# KiCad board haptic display 8x8 aisler.kicad_pcb (continued)
## Routing (per net, layer and track width the routed paths; a pad name or vN(x,y) marks a point on that pad's centre or on a via; arc(x,y) is an arc through that point) (continued)
18.58,81.09 18.73,81.27 18.9,81.43 19.1,81.56 19.31,81.67 19.53,81.75 19.76,81.8 20,81.83 20.24,81.81 20.48,81.77 20.7,81.7 20.92,81.6 21.13,81.47 21.31,81.31 21.48,81.13 21.62,80.93 21.73,80.72 21.81,80.49 21.87,80.25 21.89,80 21.88,79.75 21.83,79.51 21.76,79.27 21.65,79.05 21.52,78.84 21.36,78.64 21.17,78.47 20.96,78.33 20.74,78.21 20.5,78.13 20.25,78.07 20,78.05 19.76,78.06 19.53,78.1 19.3,78.16 19.08,78.26 18.88,78.38 18.69,78.52 18.52,78.68 18.36,78.87 18.24,79.07 18.13,79.29 18.06,79.52 18.01,79.76 17.99,80 18,80.24 18.04,80.48 18.1,80.72 18.2,80.94 18.32,81.16 18.47,81.35 18.64,81.53 18.83,81.69 19.04,81.82 19.27,81.93 19.51,82.01 19.75,82.06 20,82.08 20.25,82.06 20.5,82.02 20.74,81.95 20.97,81.85 21.19,81.73 21.4,81.57 21.58,81.4 21.74,81.2 21.88,80.98 21.99,80.75 22.07,80.51 22.12,80.26 22.14,80 22.13,79.74 22.08,79.49 22.01,79.24 21.91,79 21.78,78.77 21.62,78.56 21.44,78.37 21.24,78.21 21.01,78.07 20.78,77.96 20.52,77.87 20.26,77.82 20,77.8 19.75,77.81 19.51,77.85 19.27,77.91 19.04,78 18.82,78.12 18.61,78.26 18.42,78.42 18.25,78.61 18.1,78.81 17.98,79.03 17.88,79.26 17.8,79.5 17.76,79.75 17.74,80 17.75,80.25 17.79,80.51 17.85,80.75 17.95,80.99 18.07,81.22 18.21,81.43 18.38,81.62 18.57,81.8 18.77,81.95 19,82.08 19.24,82.18 19.48,82.26 19.74,82.31 20,82.33 20.26,82.31 20.52,82.28 20.77,82.21 21.02,82.11 21.25,81.99 21.47,81.84 21.67,81.67 21.85,81.47 22,81.26 22.13,81.03 22.24,80.78 22.32,80.53 22.37,80.27 22.39,80 22.38,79.73 22.34,79.47 22.27,79.21 22.17,78.96 22.04,78.72 21.89,78.49 21.71,78.29 21.51,78.11 21.29,77.94 21.06,77.81 20.8,77.7 20.54,77.62 20.27,77.57 20,77.55 19.74,77.56 19.49,77.6 19.24,77.66 19,77.75 18.76,77.86 18.55,78 18.34,78.16 18.15,78.34 17.99,78.54 17.84,78.75 17.72,78.98 17.62,79.23 17.55,79.48 17.51,79.74 17.49,80 17.5,80.26 17.53,80.52 17.6,80.78 17.69,81.03 17.81,81.27 17.95,81.49 18.11,81.7 18.3,81.89 18.5,82.06 18.72,82.21 18.96,82.34 19.21,82.44 19.47,82.51 19.73,82.56 20,82.58 20.27,82.57 20.54,82.53 20.8,82.46 21.05,82.37 21.3,82.25 21.53,82.1 21.74,81.94 21.94,81.75 22.11,81.54 22.27,81.31 22.39,81.07 22.5,80.81 22.57,80.55 22.62,80.28 22.64,80 22.63,79.72 22.59,79.45 22.52,79.18 22.42,78.92 22.3,78.67 22.15,78.44 21.98,78.22 21.79,78.02 21.57,77.84 21.34,77.68 21.09,77.55 20.83,77.44 20.56,77.37 20.28,77.32 20,77.3 19.73,77.31 19.47,77.34 19.21,77.41 18.96,77.49 18.72,77.6 18.49,77.74 18.27,77.89 18.07,78.07 17.89,78.26 17.72,78.48 17.58,78.71 17.46,78.95 17.37,79.2 17.3,79.46 17.25,79.73 17.24,80 17.25,80.27 17.28,80.54 17.35,80.81 17.43,81.06 17.55,81.31 17.68,81.55 17.84,81.77 18.02,81.98 18.23,82.16 18.44,82.33 18.68,82.47 18.92,82.6 19.18,82.69 19.45,82.76 19.72,82.81 20,82.83 20.28,82.82 20.55,82.78 20.82,82.71 21.09,82.62 21.34,82.51 21.58,82.37 21.81,82.2 22.02,82.02 22.21,81.81 22.38,81.59 22.53,81.35 22.65,81.1 22.75,80.83 22.82,80.56 22.87,80.28 22.89,80 22.88,79.72 22.84,79.44 22.77,79.16 22.68,78.89 22.56,78.63 22.42,78.38 22.25,78.15 22.06,77.94 21.85,77.74 21.63,77.57 21.38,77.42 21.12,77.29 20.85,77.19 20.57,77.11 20.29,77.07 20,77.05 19.73,77.06 19.46,77.09 19.19,77.15 18.93,77.24 18.68,77.34 18.44,77.47 18.21,77.63 17.99,77.8 17.8,77.99 17.62,78.2 17.46,78.43 17.32,78.67 17.2,78.92 17.11,79.18 17.05,79.45 17,79.72 16.99,80 17,80.28 17.03,80.55 17.09,80.83 17.18,81.09 17.29,81.35 17.42,81.6 17.58,81.83 17.75,82.05 17.95,82.25 18.16,82.43 18.39,82.6 18.64,82.74 18.89,82.85 19.16,82.95 19.44,83.02 19.72,83.06 20,83.08 20.28,83.07 20.57,83.03 20.84,82.97 21.12,82.88 21.38,82.77 21.63,82.63 21.87,82.47 22.09,82.29 22.3,82.09 22.48,81.88 22.65,81.64 22.79,81.39 22.91,81.13 23.01,80.86 23.08,80.58 23.12,80.29 23.14,80 23.13,79.71 23.09,79.42 23.03,79.14 22.94,78.86 22.83,78.59 22.69,78.34 22.52,78.09 22.34,77.87 22.14,77.66 21.91,77.47 21.67,77.3 21.42,77.15 21.15,77.03 20.87,76.93 20.59,76.86 20.29,76.82 20,76.8 19.72,76.81 19.44,76.84 19.17,76.9 18.9,76.98 18.64,77.08 18.39,77.21 18.15,77.36 17.93,77.53 17.72,77.72 17.52,77.92 17.35,78.14 17.19,78.38 17.06,78.63 16.95,78.89 16.86,79.16 16.79,79.43 16.75,79.72 16.74,80 16.75,80.28 16.78,80.57 16.84,80.85 16.92,81.12 17.03,81.39 17.16,81.64 17.31,81.89 17.48,82.11 17.67,82.33 17.88,82.53 18.11,82.7 18.35,82.86 18.6,83 18.87,83.11 19.14,83.2 19.42,83.27 19.71,83.31 20,83.33 20.29,83.32 20.58,83.28 20.86,83.22 21.14,83.14 21.41,83.03 21.67,82.9 21.92,82.74 22.16,82.57 22.37,82.37 22.57,82.16 22.75,81.93 22.92,81.68 23.05,81.42 23.17,81.15 23.26,80.87 23.33,80.59 23.37,80.29 23.39,80 23.38,79.7 23.34,79.41 23.28,79.12 23.2,78.84 23.09,78.56 22.95,78.3 22.79,78.04 22.62,77.8 22.42,77.58 22.2,77.38 21.96,77.19 21.71,77.03 21.45,76.89 21.18,76.77 20.89,76.68 20.6,76.61 20.3,76.57 20,76.55 19.71,76.56 19.43,76.59 19.15,76.65 18.88,76.72 18.61,76.83 18.35,76.95 18.1,77.09 17.86,77.26 17.64,77.44 17.44,77.64 17.25,77.86 17.08,78.09 16.93,78.34 16.8,78.6 16.69,78.86 16.6,79.14 16.54,79.42 16.5,79.71 16.49,80 16.5,80.29 16.53,80.58 16.59,80.86 16.67,81.14 16.77,81.42 16.89,81.68 17.04,81.93 17.21,82.17 17.39,82.4 17.6,82.61 17.82,82.8 18.06,82.97 18.31,83.13 18.57,83.26 18.84,83.37 19.12,83.46 19.41,83.52 19.71,83.56 20,83.58 20.3,83.57 20.59,83.53 20.88,83.48 21.17,83.39 21.44,83.29 21.71,83.16 21.97,83.01 22.21,82.84 22.44,82.65 22.65,82.44 22.85,82.22 23.03,81.98 23.18,81.72 23.32,81.45 23.43,81.18 23.52,80.89 23.58,80.6 23.62,80.3 23.64,80 23.63,79.7 23.59,79.4 23.54,79.1 23.45,78.81 23.35,78.53 23.22,78.26 23.06,78 22.89,77.75 22.7,77.52 22.49,77.3 22.26,77.1 22.01,76.92 21.75,76.76 21.48,76.63 21.2,76.51 20.91,76.42 20.61,76.36 20.31,76.32 20,76.3 19.71,76.31 19.42,76.34 19.13,76.39 18.85,76.47 18.58,76.57 18.31,76.69 18.06,76.83 17.81,76.99 17.58,77.17 17.36,77.36 17.16,77.57 16.98,77.8 16.81,78.05 16.66,78.3 16.54,78.57 16.43,78.84 16.35,79.12 16.29,79.41 16.25,79.71 16.24,80 16.25,80.3 16.28,80.59 16.33,80.88 16.41,81.17 16.51,81.45 16.63,81.72 16.77,81.98 16.94,82.23 17.12,82.46 17.32,82.68 17.53,82.89 17.77,83.07 18.01,83.24 18.27,83.39 18.54,83.52 18.82,83.63 19.11,83.71 19.4,83.77 19.7,83.81 20,83.83 20.3,83.82 20.6,83.78 20.9,83.73 21.19,83.65 21.47,83.55 21.75,83.42 22.01,83.28 22.26,83.11 22.5,82.93 22.73,82.73 22.93,82.51 23.12,82.27 23.3,82.02 23.45,81.76 23.58,81.48 23.69,81.2 23.77,80.91 23.83,80.61 23.87,80.3 23.89,80 23.88,79.69 23.85,79.39 23.79,79.09 23.71,78.79 23.61,78.51 23.48,78.23 23.33,77.96 23.17,77.7 22.98,77.46 22.77,77.23 22.55,77.02 22.31,76.82 22.05,76.65 21.78,76.5 21.51,76.37 21.22,76.26 20.92,76.17 20.62,76.1 20.31,76.07 20,76.05 19.7,76.06 19.41,76.09 19.12,76.14 18.83,76.21 18.55,76.31 18.28,76.43 18.01,76.56 17.76,76.72 17.52,76.89 17.29,77.08 17.08,77.29 16.88,77.51 16.7,77.75 16.54,78 16.4,78.27 16.28,78.54 16.18,78.82 16.1,79.11 16.04,79.4 16,79.7 15.99,80 16,80.3 16.03,80.6 16.08,80.89 16.15,81.19 16.25,81.47 16.37,81.75 16.51,82.02 16.67,82.27 16.84,82.52 17.04,82.75 17.25,82.97 17.48,83.17 17.72,83.35 17.97,83.51 18.24,83.66 18.52,83.78 18.8,83.88 19.1,83.96 19.39,84.02 19.7,84.06 20,84.08 20.3,84.07 20.61,84.04 20.91,83.98 21.2,83.91 21.49,83.81 21.78,83.69 22.05,83.55 22.31,83.39 22.56,83.21 22.79,83.01 23.01,82.79 23.21,82.56 23.4,82.32 23.57,82.06 23.71,81.79 23.84,81.51 23.94,81.22 24.03,80.92 24.09,80.62 24.12,80.31 24.14,80 24.13,79.69 24.1,79.38 24.04,79.08 23.97,78.78 23.87,78.48 23.74,78.2 23.6,77.92 23.44,77.66 23.26,77.4 23.05,77.17 22.84,76.94 22.6,76.74 22.35,76.55 22.09,76.38 21.81,76.23 21.53,76.1 21.23,76 20.93,75.91 20.63,75.85 20.31,75.81 20,75.8 19.7,75.81 19.4,75.84 19.11,75.89 18.81,75.96 18.53,76.05 18.25,76.16 17.98,76.3 17.72,76.45 17.47,76.62 17.23,76.8 17.01,77.01 16.8,77.23 16.61,77.46 16.43,77.71 16.28,77.97 16.14,78.24 16.02,78.52 15.92,78.8 15.84,79.1 15.79,79.39 15.75,79.7 15.74,80 15.75,80.3 15.78,80.61 15.83,80.91 15.9,81.2 15.99,81.49 16.11,81.78 16.24,82.05 16.4,82.32 16.57,82.57 16.76,82.81 16.96,83.04 17.19,83.25 17.42,83.44 17.67,83.62 17.94,83.78 18.21,83.92 18.49,84.04 18.78,84.14 19.08,84.22 19.39,84.28 19.69,84.31 20,84.33 20.31,84.32 20.62,84.29 20.92,84.23 21.22,84.16 21.52,84.07 21.8,83.95 22.08,83.81 22.35,83.66 22.61,83.48 22.85,83.29 23.08,83.08 23.29,82.85 23.49,82.61 23.67,82.36 23.83,82.09 23.98,81.82 24.1,81.53 24.2,81.23 24.28,80.93 24.34,80.62 24.37,80.31 24.39,80 24.38,79.69 24.35,79.37 24.3,79.07 24.22,78.76 24.12,78.46 24.01,78.17 23.87,77.89 23.71,77.62 23.53,77.36 23.34,77.11 23.12,76.88 22.9,76.66 22.65,76.46 22.39,76.28 22.12,76.11 21.84,75.97 21.55,75.84 21.25,75.74 20.94,75.66 20.63,75.6 20.32,75.56 20,75.55 19.05,75.55 ; 19.59,63.98 19.63,63.97 20,63.6 20,63.55 19.79,63.56 19.59,63.6 19.39,63.67 19.2,63.76 19.03,63.88 18.88,64.03 18.75,64.19 18.64,64.38 18.56,64.58 18.51,64.79 18.49,65 18.5,65.22 18.54,65.43 18.61,65.64 18.71,65.83 18.84,66.01 18.99,66.17 19.16,66.31 19.35,66.42 19.56,66.5 19.78,66.55 20,66.58 20.22,66.56 20.45,66.52 20.66,66.45 20.86,66.34 21.05,66.21 21.22,66.05 21.36,65.87 21.47,65.67 21.56,65.46 21.62,65.23 21.64,65 21.63,64.77 21.58,64.54 21.51,64.31 21.4,64.1 21.26,63.91 21.09,63.74 20.91,63.59 20.7,63.47 20.48,63.38 20.24,63.32 20,63.3 19.78,63.31 19.56,63.35 19.34,63.41 19.14,63.51 18.95,63.63 18.78,63.78 18.62,63.94 18.49,64.13 18.39,64.33 18.31,64.55 18.26,64.77 18.24,65 18.25,65.23 18.29,65.46 18.36,65.68 18.46,65.89 18.58,66.09 18.73,66.27 18.9,66.43 19.1,66.56 19.31,66.67 19.53,66.75 19.76,66.8 20,66.83 20.24,66.81 20.48,66.77 20.7,66.7 20.92,66.6 21.13,66.47 21.31,66.31 21.48,66.13 21.62,65.93 21.73,65.72 21.81,65.49 21.87,65.25 21.89,65 21.88,64.75 21.83,64.51 21.76,64.27 21.65,64.05 21.52,63.84 21.36,63.64 21.17,63.47 20.96,63.33 20.74,63.21 20.5,63.13 20.25,63.07 20,63.05 19.76,63.06 19.53,63.1 19.3,63.16 19.08,63.26 18.88,63.38 18.69,63.52 18.52,63.68 18.36,63.87 18.24,64.07 18.13,64.29 18.06,64.52 18.01,64.76 17.99,65 18,65.24 18.04,65.48 18.1,65.72 18.2,65.94 18.32,66.16 18.47,66.35 18.64,66.53 18.83,66.69 19.04,66.82 19.27,66.93 19.51,67.01 19.75,67.06 20,67.08 20.25,67.06 20.5,67.02 20.74,66.95 20.97,66.85 21.19,66.73 21.4,66.57 21.58,66.4 21.74,66.2 21.88,65.98 21.99,65.75 22.07,65.51 22.12,65.26 22.14,65 22.13,64.74 22.08,64.49 22.01,64.24 21.91,64 21.78,63.77 21.62,63.56 21.44,63.37 21.24,63.21 21.01,63.07 20.78,62.96 20.52,62.87 20.26,62.82 20,62.8 19.75,62.81 19.51,62.85 19.27,62.91 19.04,63 18.82,63.12 18.61,63.26 18.42,63.42 18.25,63.61 18.1,63.81 17.98,64.03 17.88,64.26 17.8,64.5 17.76,64.75 17.74,65 17.75,65.25 17.79,65.51 17.85,65.75 17.95,65.99 18.07,66.22 18.21,66.43 18.38,66.62 18.57,66.8 18.77,66.95 19,67.08 19.24,67.18 19.48,67.26 19.74,67.31 20,67.33 20.26,67.31 20.52,67.28 20.77,67.21 21.02,67.11 21.25,66.99 21.47,66.84 21.67,66.67 21.85,66.47 22,66.26 22.13,66.03 22.24,65.78 22.32,65.53 22.37,65.27 22.39,65 22.38,64.73 22.34,64.47 22.27,64.21 22.17,63.96 22.04,63.72 21.89,63.49 21.71,63.29 21.51,63.11 21.29,62.94 21.06,62.81 20.8,62.7 20.54,62.62 20.27,62.57 20,62.55 19.74,62.56 19.49,62.6 19.24,62.66 19,62.75 18.76,62.86 18.55,63 18.34,63.16 18.15,63.34 17.99,63.54 17.84,63.75 17.72,63.98 17.62,64.23 17.55,64.48 17.51,64.74 17.49,65 17.5,65.26 17.53,65.52 17.6,65.78 17.69,66.03 17.81,66.27 17.95,66.49 18.11,66.7 18.3,66.89 18.5,67.06 18.72,67.21 18.96,67.34 19.21,67.44 19.47,67.51 19.73,67.56 20,67.58 20.27,67.57 20.54,67.53 20.8,67.46 21.05,67.37 21.3,67.25 21.53,67.1 21.74,66.94 21.94,66.75 22.11,66.54 22.27,66.31 22.39,66.07 22.5,65.81 22.57,65.55 22.62,65.28 22.64,65 22.63,64.72 22.59,64.45 22.52,64.18 22.42,63.92 22.3,63.67 22.15,63.44 21.98,63.22 21.79,63.02 21.57,62.84 21.34,62.68 21.09,62.55 20.83,62.44 20.56,62.37 20.28,62.32 20,62.3 19.73,62.31 19.47,62.34 19.21,62.41 18.96,62.49 18.72,62.6 18.49,62.74 18.27,62.89 18.07,63.07 17.89,63.26 17.72,63.48 17.58,63.71 17.46,63.95 17.37,64.2 17.3,64.46 17.25,64.73 17.24,65 17.25,65.27 17.28,65.54 17.35,65.81 17.43,66.06 17.55,66.31 17.68,66.55 17.84,66.77 18.02,66.98 18.23,67.16 18.44,67.33 18.68,67.47 18.92,67.6 19.18,67.69 19.45,67.76 19.72,67.81 20,67.83 20.28,67.82 20.55,67.78 20.82,67.71 21.09,67.62 21.34,67.51 21.58,67.37 21.81,67.2 22.02,67.02 22.21,66.81 22.38,66.59 22.53,66.35 22.65,66.1 22.75,65.83 22.82,65.56 22.87,65.28 22.89,65 22.88,64.72 22.84,64.44 22.77,64.16 22.68,63.89 22.56,63.63 22.42,63.38 22.25,63.15 22.06,62.94 21.85,62.74 21.63,62.57 21.38,62.42 21.12,62.29 20.85,62.19 20.57,62.11 20.29,62.07 20,62.05 19.73,62.06 19.46,62.09 19.19,62.15 18.93,62.24 18.68,62.34 18.44,62.47 18.21,62.63 17.99,62.8 17.8,62.99 17.62,63.2 17.46,63.43 17.32,63.67 17.2,63.92 17.11,64.18 17.05,64.45 17,64.72 16.99,65 17,65.28 17.03,65.55 17.09,65.83 17.18,66.09 17.29,66.35 17.42,66.6 17.58,66.83 17.75,67.05 17.95,67.25 18.16,67.43 18.39,67.6 18.64,67.74 18.89,67.85 19.16,67.95 19.44,68.02 19.72,68.06 20,68.08 20.28,68.07 20.57,68.03 20.84,67.97 21.12,67.88 21.38,67.77 21.63,67.63 21.87,67.47 22.09,67.29 22.3,67.09 22.48,66.88 22.65,66.64 22.79,66.39 22.91,66.13 23.01,65.86 23.08,65.58 23.12,65.29 23.14,65 23.13,64.71 23.09,64.42 23.03,64.14 22.94,63.86 22.83,63.59 22.69,63.34 22.52,63.09 22.34,62.87 22.14,62.66 21.91,62.47 21.67,62.3 21.42,62.15 21.15,62.03 20.87,61.93 20.59,61.86 20.29,61.82 20,61.8 19.72,61.81 19.44,61.84 19.17,61.9 18.9,61.98 18.64,62.08 18.39,62.21 18.15,62.36 17.93,62.53 17.72,62.72 17.52,62.92 17.35,63.14 17.19,63.38 17.06,63.63 16.95,63.89 16.86,64.16 16.79,64.43 16.75,64.72 16.74,65 16.75,65.28 16.78,65.57 16.84,65.85 16.92,66.12 17.03,66.39 17.16,66.64 17.31,66.89 17.48,67.11 17.67,67.33 17.88,67.53 18.11,67.7 18.35,67.86 18.6,68 18.87,68.11 19.14,68.2 19.42,68.27 19.71,68.31 20,68.33 20.29,68.32 20.58,68.28 20.86,68.22 21.14,68.14 21.41,68.03 21.67,67.9 21.92,67.74 22.16,67.57 22.37,67.37 22.57,67.16 22.75,66.93 22.92,66.68 23.05,66.42 23.17,66.15 23.26,65.87 23.33,65.59 23.37,65.29 23.39,65 23.38,64.7 23.34,64.41 23.28,64.12 23.2,63.84 23.09,63.56 22.95,63.3 22.79,63.04 22.62,62.8 22.42,62.58 22.2,62.38 21.96,62.19 21.71,62.03 21.45,61.89 21.18,61.77 20.89,61.68 20.6,61.61 20.3,61.57 20,61.55 19.71,61.56 19.43,61.59 19.15,61.65 18.88,61.72 18.61,61.83 18.35,61.95 18.1,62.09 17.86,62.26 17.64,62.44 17.44,62.64 17.25,62.86 17.08,63.09 16.93,63.34 16.8,63.6 16.69,63.86 16.6,64.14 16.54,64.42 16.5,64.71 16.49,65 16.5,65.29 16.53,65.58 16.59,65.86 16.67,66.14 16.77,66.42 16.89,66.68 17.04,66.93 17.21,67.17 17.39,67.4 17.6,67.61 17.82,67.8 18.06,67.97 18.31,68.13 18.57,68.26 18.84,68.37 19.12,68.46 19.41,68.52 19.71,68.56 20,68.58 20.3,68.57 20.59,68.53 20.88,68.48 21.17,68.39 21.44,68.29 21.71,68.16 21.97,68.01 22.21,67.84 22.44,67.65 22.65,67.44 22.85,67.22 23.03,66.98 23.18,66.72 23.32,66.45 23.43,66.18 23.52,65.89 23.58,65.6 23.62,65.3 23.64,65 23.63,64.7 23.59,64.4 23.54,64.1 23.45,63.81 23.35,63.53 23.22,63.26 23.06,63 22.89,62.75 22.7,62.52 22.49,62.3 22.26,62.1 22.01,61.92 21.75,61.76 21.48,61.63 21.2,61.51 20.91,61.42 20.61,61.36 20.31,61.32 20,61.3 19.71,61.31 19.42,61.34 19.13,61.39 18.85,61.47 18.58,61.57 18.31,61.69 18.06,61.83 17.81,61.99 17.58,62.17 17.36,62.36 17.16,62.57 16.98,62.8 16.81,63.05 16.66,63.3 16.54,63.57 16.43,63.84 16.35,64.12 16.29,64.41 16.25,64.71 16.24,65 16.25,65.3 16.28,65.59 16.33,65.88 16.41,66.17 16.51,66.45 16.63,66.72 16.77,66.98 16.94,67.23 17.12,67.46 17.32,67.68 17.53,67.89 17.77,68.07 18.01,68.24 18.27,68.39 18.54,68.52 18.82,68.63 19.11,68.71 19.4,68.77 19.7,68.81 20,68.83 20.3,68.82 20.6,68.78 20.9,68.73 21.19,68.65 21.47,68.55 21.75,68.42 22.01,68.28 22.26,68.11 22.5,67.93 22.73,67.73 22.93,67.51 23.12,67.27 23.3,67.02 23.45,66.76 23.58,66.48 23.69,66.2 23.77,65.91 23.83,65.61 23.87,65.3 23.89,65 23.88,64.69 23.85,64.39 23.79,64.09 23.71,63.79 23.61,63.51 23.48,63.23 23.33,62.96 23.17,62.7 22.98,62.46 22.77,62.23 22.55,62.02 22.31,61.82 22.05,61.65 21.78,61.5 21.51,61.37 21.22,61.26 20.92,61.17 20.62,61.1 20.31,61.07 20,61.05 19.7,61.06 19.41,61.09 19.12,61.14 18.83,61.21 18.55,61.31 18.28,61.43 18.01,61.56 17.76,61.72 17.52,61.89 17.29,62.08 17.08,62.29 16.88,62.51 16.7,62.75 16.54,63 16.4,63.27 16.28,63.54 16.18,63.82 16.1,64.11 16.04,64.4 16,64.7 15.99,65 16,65.3 16.03,65.6 16.08,65.89 16.15,66.19 16.25,66.47 16.37,66.75 16.51,67.02 16.67,67.27 16.84,67.52 17.04,67.75 17.25,67.97 17.48,68.17 17.72,68.35 17.97,68.51 18.24,68.66 18.52,68.78 18.8,68.88 19.1,68.96 19.39,69.02 19.7,69.06 20,69.08 20.3,69.07 20.61,69.04 20.91,68.98 21.2,68.91 21.49,68.81 21.78,68.69 22.05,68.55 22.31,68.39 22.56,68.21 22.79,68.01 23.01,67.79 23.21,67.56 23.4,67.32 23.57,67.06 23.71,66.79 23.84,66.51 23.94,66.22 24.03,65.92 24.09,65.62 24.12,65.31 24.14,65 24.13,64.69 24.1,64.38 24.04,64.08 23.97,63.78 23.87,63.48 23.74,63.2 23.6,62.92 23.44,62.66 23.26,62.4 23.05,62.17 22.84,61.94 22.6,61.74 22.35,61.55 22.09,61.38 21.81,61.23 21.53,61.1 21.23,61 20.93,60.91 20.63,60.85 20.31,60.81 20,60.8 19.7,60.81 19.4,60.84 19.11,60.89 18.81,60.96 18.53,61.05 18.25,61.16 17.98,61.3 17.72,61.45 17.47,61.62 17.23,61.8 17.01,62.01 16.8,62.23 16.61,62.46 16.43,62.71 16.28,62.97 16.14,63.24 16.02,63.52 15.92,63.8 15.84,64.1 15.79,64.39 15.75,64.7 15.74,65 15.75,65.3 15.78,65.61 15.83,65.91 15.9,66.2 15.99,66.49 16.11,66.78 16.24,67.05 16.4,67.32 16.57,67.57 16.76,67.81 16.96,68.04 17.19,68.25 17.42,68.44 17.67,68.62 17.94,68.78 18.21,68.92 18.49,69.04 18.78,69.14 19.08,69.22 19.39,69.28 19.69,69.31 20,69.33 20.31,69.32 20.62,69.29 20.92,69.23 21.22,69.16 21.52,69.07 21.8,68.95 22.08,68.81 22.35,68.66 22.61,68.48 22.85,68.29 23.08,68.08 23.29,67.85 23.49,67.61 23.67,67.36 23.83,67.09 23.98,66.82 24.1,66.53 24.2,66.23 24.28,65.93 24.34,65.62 24.37,65.31 24.39,65 24.38,64.69 24.35,64.37 24.3,64.07 24.22,63.76 24.12,63.46 24.01,63.17 23.87,62.89 23.71,62.62 23.53,62.36 23.34,62.11 23.12,61.88 22.9,61.66 22.65,61.46 22.39,61.28 22.12,61.11 21.84,60.97 21.55,60.84 21.25,60.74 20.94,60.66 20.63,60.6 20.32,60.56 20,60.55 19.05,60.55 ; 19.59,48.98 19.63,48.97 20,48.6 20,48.55 19.79,48.56 19.59,48.6 19.39,48.67 19.2,48.76 19.03,48.88 18.88,49.03 18.75,49.19 18.64,49.38 18.56,49.58 18.51,49.79 18.49,50 18.5,50.22 18.54,50.43 18.61,50.64 18.71,50.83 18.84,51.01 18.99,51.17 19.16,51.31 19.35,51.42 19.56,51.5 19.78,51.55 20,51.58 20.22,51.56 20.45,51.52 20.66,51.45 20.86,51.34 21.05,51.21 21.22,51.05 21.36,50.87 21.47,50.67 21.56,50.46 21.62,50.23 21.64,50 21.63,49.77 21.58,49.54 21.51,49.31 21.4,49.1 21.26,48.91 21.09,48.74 20.91,48.59 20.7,48.47 20.48,48.38 20.24,48.32 20,48.3 19.78,48.31 19.56,48.35 19.34,48.41 19.14,48.51 18.95,48.63 18.78,48.78 18.62,48.94 18.49,49.13 18.39,49.33 18.31,49.55 18.26,49.77 18.24,50 18.25,50.23 18.29,50.46 18.36,50.68 18.46,50.89 18.58,51.09 18.73,51.27 18.9,51.43 19.1,51.56 19.31,51.67 19.53,51.75 19.76,51.8 20,51.83 20.24,51.81 20.48,51.77 20.7,51.7 20.92,51.6 21.13,51.47 21.31,51.31 21.48,51.13 21.62,50.93 21.73,50.72 21.81,50.49 21.87,50.25 21.89,50 21.88,49.75 21.83,49.51 21.76,49.27 21.65,49.05 21.52,48.84 21.36,48.64 21.17,48.47 20.96,48.33 20.74,48.21 20.5,48.13 20.25,48.07 20,48.05 19.76,48.06 19.53,48.1 19.3,48.16 19.08,48.26 18.88,48.38 18.69,48.52 18.52,48.68 18.36,48.87 18.24,49.07 18.13,49.29 18.06,49.52 18.01,49.76 17.99,50 18,50.24 18.04,50.48 18.1,50.72 18.2,50.94 18.32,51.16 18.47,51.35 18.64,51.53 18.83,51.69 19.04,51.82 19.27,51.93 19.51,52.01 19.75,52.06 20,52.08 20.25,52.06 20.5,52.02 20.74,51.95 20.97,51.85 21.19,51.73 21.4,51.57 21.58,51.4 21.74,51.2 21.88,50.98 21.99,50.75 22.07,50.51 22.12,50.26 22.14,50 22.13,49.74 22.08,49.49 22.01,49.24 21.91,49 21.78,48.77 21.62,48.56 21.44,48.37 21.24,48.21 21.01,48.07 20.78,47.96 20.52,47.87 20.26,47.82 20,47.8 19.75,47.81 19.51,47.85 19.27,47.91 19.04,48 18.82,48.12 18.61,48.26 18.42,48.42 18.25,48.61 18.1,48.81 17.98,49.03 17.88,49.26 17.8,49.5 17.76,49.75 17.74,50 17.75,50.25 17.79,50.51 17.85,50.75 17.95,50.99 18.07,51.22 18.21,51.43 18.38,51.62 18.57,51.8 18.77,51.95 19,52.08 19.24,52.18 19.48,52.26 19.74,52.31 20,52.33 20.26,52.31 20.52,52.28 20.77,52.21 21.02,52.11 21.25,51.99 21.47,51.84 21.67,51.67 21.85,51.47 22,51.26 22.13,51.03 22.24,50.78 22.32,50.53 22.37,50.27 22.39,50 22.38,49.73 22.34,49.47 22.27,49.21 22.17,48.96 22.04,48.72 21.89,48.49 21.71,48.29 21.51,48.11 21.29,47.94 21.06,47.81 20.8,47.7 20.54,47.62 20.27,47.57 20,47.55 19.74,47.56 19.49,47.6 19.24,47.66 19,47.75 18.76,47.86 18.55,48 18.34,48.16 18.15,48.34 17.99,48.54 17.84,48.75 17.72,48.98 17.62,49.23 17.55,49.48 17.51,49.74 17.49,50 17.5,50.26 17.53,50.52 17.6,50.78 17.69,51.03 17.81,51.27 17.95,51.49 18.11,51.7 18.3,51.89 18.5,52.06 18.72,52.21 18.96,52.34 19.21,52.44 19.47,52.51 19.73,52.56 20,52.58 20.27,52.57 20.54,52.53 20.8,52.46 21.05,52.37 21.3,52.25 21.53,52.1 21.74,51.94 21.94,51.75 22.11,51.54 22.27,51.31 22.39,51.07 22.5,50.81 22.57,50.55 22.62,50.28 22.64,50 22.63,49.72 22.59,49.45 22.52,49.18 22.42,48.92 22.3,48.67 22.15,48.44 21.98,48.22 21.79,48.02 21.57,47.84 21.34,47.68 21.09,47.55 20.83,47.44 20.56,47.37 20.28,47.32 20,47.3 19.73,47.31 19.47,47.34 19.21,47.41 18.96,47.49 18.72,47.6 18.49,47.74 18.27,47.89 18.07,48.07 17.89,48.26 17.72,48.48 17.58,48.71 17.46,48.95 17.37,49.2 17.3,49.46 17.25,49.73 17.24,50 17.25,50.27 17.28,50.54 17.35,50.81 17.43,51.06 17.55,51.31 17.68,51.55 17.84,51.77 18.02,51.98 18.23,52.16 18.44,52.33 18.68,52.47 18.92,52.6 19.18,52.69 19.45,52.76 19.72,52.81 20,52.83 20.28,52.82 20.55,52.78 20.82,52.71 21.09,52.62 21.34,52.51 21.58,52.37 21.81,52.2 22.02,52.02 22.21,51.81 22.38,51.59 22.53,51.35 22.65,51.1 22.75,50.83 22.82,50.56 22.87,50.28 22.89,50 22.88,49.72 22.84,49.44 22.77,49.16 22.68,48.89 22.56,48.63 22.42,48.38 22.25,48.15 22.06,47.94 21.85,47.74 21.63,47.57 21.38,47.42 21.12,47.29 20.85,47.19 20.57,47.11 20.29,47.07 20,47.05 19.73,47.06 19.46,47.09 19.19,47.15 18.93,47.24 18.68,47.34 18.44,47.47 18.21,47.63 17.99,47.8 17.8,47.99 17.62,48.2 17.46,48.43 17.32,48.67 17.2,48.92 17.11,49.18 17.05,49.45 17,49.72 16.99,50 17,50.28 17.03,50.55 17.09,50.83 17.18,51.09 17.29,51.35 17.42,51.6 17.58,51.83 17.75,52.05 17.95,52.25 18.16,52.43 18.39,52.6 18.64,52.74 18.89,52.85 19.16,52.95 19.44,53.02 19.72,53.06 20,53.08 20.28,53.07 20.57,53.03 20.84,52.97 21.12,52.88 21.38,52.77 21.63,52.63 21.87,52.47 22.09,52.29 22.3,52.09 22.48,51.88 22.65,51.64 22.79,51.39 22.91,51.13 23.01,50.86 23.08,50.58 23.12,50.29 23.14,50 23.13,49.71 23.09,49.42 23.03,49.14 22.94,48.86 22.83,48.59 22.69,48.34 22.52,48.09 22.34,47.87 22.14,47.66 21.91,47.47 21.67,47.3 21.42,47.15 21.15,47.03 20.87,46.93 20.59,46.86 20.29,46.82 20,46.8 19.72,46.81 19.44,46.84 19.17,46.9 18.9,46.98 18.64,47.08 18.39,47.21 18.15,47.36 17.93,47.53 17.72,47.72 17.52,47.92 17.35,48.14 17.19,48.38 17.06,48.63 16.95,48.89 16.86,49.16 16.79,49.43 16.75,49.72 16.74,50 16.75,50.28 16.78,50.57 16.84,50.85 16.92,51.12 17.03,51.39 17.16,51.64 17.31,51.89 17.48,52.11 17.67,52.33 17.88,52.53 18.11,52.7 18.35,52.86 18.6,53 18.87,53.11 19.14,53.2 19.42,53.27 19.71,53.31 20,53.33 20.29,53.32 20.58,53.28 20.86,53.22 21.14,53.14 21.41,53.03 21.67,52.9 21.92,52.74 22.16,52.57 22.37,52.37 22.57,52.16 22.75,51.93 22.92,51.68 23.05,51.42 23.17,51.15 23.26,50.87 23.33,50.59 23.37,50.29 23.39,50 23.38,49.7 23.34,49.41 23.28,49.12 23.2,48.84 23.09,48.56 22.95,48.3 22.79,48.04 22.62,47.8 22.42,47.58 22.2,47.38 21.96,47.19 21.71,47.03 21.45,46.89 21.18,46.77 20.89,46.68 20.6,46.61 20.3,46.57 20,46.55 19.71,46.56 19.43,46.59 19.15,46.65 18.88,46.72 18.61,46.83 18.35,46.95 18.1,47.09 17.86,47.26 17.64,47.44 17.44,47.64 17.25,47.86 17.08,48.09 16.93,48.34 16.8,48.6 16.69,48.86 16.6,49.14 16.54,49.42 16.5,49.71 16.49,50 16.5,50.29 16.53,50.58 16.59,50.86 16.67,51.14 16.77,51.42 16.89,51.68 17.04,51.93 17.21,52.17 17.39,52.4 17.6,52.61 17.82,52.8 18.06,52.97 18.31,53.13 18.57,53.26 18.84,53.37 19.12,53.46 19.41,53.52 19.71,53.56 20,53.58 20.3,53.57 20.59,53.53 20.88,53.48 21.17,53.39 21.44,53.29 21.71,53.16 21.97,53.01 22.21,52.84 22.44,52.65 22.65,52.44 22.85,52.22 23.03,51.98 23.18,51.72 23.32,51.45 23.43,51.18 23.52,50.89 23.58,50.6 23.62,50.3 23.64,50 23.63,49.7 23.59,49.4 23.54,49.1 23.45,48.81 23.35,48.53 23.22,48.26 23.06,48 22.89,47.75 22.7,47.52 22.49,47.3 22.26,47.1 22.01,46.92 21.75,46.76 21.48,46.63 21.2,46.51 20.91,46.42 20.61,46.36 20.31,46.32 20,46.3 19.71,46.31 19.42,46.34 19.13,46.39 18.85,46.47 18.58,46.57 18.31,46.69 18.06,46.83 17.81,46.99 17.58,47.17 17.36,47.36 17.16,47.57 16.98,47.8 16.81,48.05 16.66,48.3 16.54,48.57 16.43,48.84 16.35,49.12 16.29,49.41 16.25,49.71 16.24,50 16.25,50.3 16.28,50.59 16.33,50.88 16.41,51.17 16.51,51.45 16.63,51.72 16.77,51.98 16.94,52.23 17.12,52.46 17.32,52.68 17.53,52.89 17.77,53.07 18.01,53.24 18.27,53.39 18.54,53.52 18.82,53.63 19.11,53.71 19.4,53.77 19.7,53.81 20,53.83 20.3,53.82 20.6,53.78 20.9,53.73 21.19,53.65 21.47,53.55 21.75,53.42 22.01,53.28 22.26,53.11 22.5,52.93 22.73,52.73 22.93,52.51 23.12,52.27 23.3,52.02 23.45,51.76 23.58,51.48 23.69,51.2 23.77,50.91 23.83,50.61 23.87,50.3 23.89,50 23.88,49.69 23.85,49.39 23.79,49.09 23.71,48.79 23.61,48.51 23.48,48.23 23.33,47.96 23.17,47.7 22.98,47.46 22.77,47.23 22.55,47.02 22.31,46.82 22.05,46.65 21.78,46.5 21.51,46.37 21.22,46.26 20.92,46.17 20.62,46.1 20.31,46.07 20,46.05 19.7,46.06 19.41,46.09 19.12,46.14 18.83,46.21 18.55,46.31 18.28,46.43 18.01,46.56 17.76,46.72 17.52,46.89 17.29,47.08 17.08,47.29 16.88,47.51 16.7,47.75 16.54,48 16.4,48.27 16.28,48.54 16.18,48.82 16.1,49.11 16.04,49.4 16,49.7 15.99,50 16,50.3 16.03,50.6 16.08,50.89 16.15,51.19 16.25,51.47 16.37,51.75 16.51,52.02 16.67,52.27 16.84,52.52 17.04,52.75 17.25,52.97 17.48,53.17 17.72,53.35 17.97,53.51 18.24,53.66 18.52,53.78 18.8,53.88 19.1,53.96 19.39,54.02 19.7,54.06 20,54.08 20.3,54.07 20.61,54.04 20.91,53.98 21.2,53.91 21.49,53.81 21.78,53.69 22.05,53.55 22.31,53.39 22.56,53.21 22.79,53.01 23.01,52.79 23.21,52.56 23.4,52.32 23.57,52.06 23.71,51.79 23.84,51.51 23.94,51.22 24.03,50.92 24.09,50.62 24.12,50.31 24.14,50 24.13,49.69 24.1,49.38 24.04,49.08 23.97,48.78 23.87,48.48 23.74,48.2 23.6,47.92 23.44,47.66 23.26,47.4 23.05,47.17 22.84,46.94 22.6,46.74 22.35,46.55 22.09,46.38 21.81,46.23 21.53,46.1 21.23,46 20.93,45.91 20.63,45.85 20.31,45.81 20,45.8 19.7,45.81 19.4,45.84 19.11,45.89 18.81,45.96 18.53,46.05 18.25,46.16 17.98,46.3 17.72,46.45 17.47,46.62 17.23,46.8 17.01,47.01 16.8,47.23 16.61,47.46 16.43,47.71 16.28,47.97 16.14,48.24 16.02,48.52 15.92,48.8 15.84,49.1 15.79,49.39 15.75,49.7 15.74,50 15.75,50.3 15.78,50.61 15.83,50.91 15.9,51.2 15.99,51.49 16.11,51.78 16.24,52.05 16.4,52.32 16.57,52.57 16.76,52.81 16.96,53.04 17.19,53.25 17.42,53.44 17.67,53.62 17.94,53.78 18.21,53.92 18.49,54.04 18.78,54.14 19.08,54.22 19.39,54.28 19.69,54.31 20,54.33 20.31,54.32 20.62,54.29 20.92,54.23 21.22,54.16 21.52,54.07 21.8,53.95 22.08,53.81 22.35,53.66 22.61,53.48 22.85,53.29 23.08,53.08 23.29,52.85 23.49,52.61 23.67,52.36 23.83,52.09 23.98,51.82 24.1,51.53 24.2,51.23 24.28,50.93 24.34,50.62 24.37,50.31 24.39,50 24.38,49.69 24.35,49.37 24.3,49.07 24.22,48.76 24.12,48.46 24.01,48.17 23.87,47.89 23.71,47.62 23.53,47.36 23.34,47.11 23.12,46.88 22.9,46.66 22.65,46.46 22.39,46.28 22.12,46.11 21.84,45.97 21.55,45.84 21.25,45.74 20.94,45.66 20.63,45.6 20.32,45.56 20,45.55 19.05,45.55 ; 19.59,33.98 19.63,33.97 20,33.6 20,33.55 19.79,33.56 19.59,33.6 19.39,33.67 19.2,33.76 19.03,33.88 18.88,34.03 18.75,34.19 18.64,34.38 18.56,34.58 18.51,34.79 18.49,35 18.5,35.22 18.54,35.43 18.61,35.64 18.71,35.83 18.84,36.01 18.99,36.17 19.16,36.31 19.35,36.42 19.56,36.5 19.78,36.55 20,36.57 20.22,36.56 20.45,36.52 20.66,36.45 20.86,36.34 21.05,36.21 21.22,36.05 21.36,35.87 21.47,35.67 21.56,35.46 21.62,35.23 21.64,35 21.63,34.77 21.58,34.54 21.51,34.31 21.4,34.1 21.26,33.91 21.09,33.74 20.91,33.59 20.7,33.47 20.48,33.38 20.24,33.32 20,33.3 19.78,33.31 19.56,33.35 19.34,33.41 19.14,33.51 18.95,33.63 18.78,33.78 18.62,33.94 18.49,34.13 18.39,34.33 18.31,34.55 18.26,34.77 18.24,35 18.25,35.23 18.29,35.46 18.36,35.68 18.46,35.89 18.58,36.09 18.73,36.27 18.9,36.43 19.1,36.56 19.31,36.67 19.53,36.75 19.76,36.8 20,36.82 20.24,36.81 20.48,36.77 20.7,36.7 20.92,36.6 21.13,36.47 21.31,36.31 21.48,36.13 21.62,35.93 21.73,35.72 21.81,35.49 21.87,35.25 21.89,35 21.88,34.75 21.83,34.51 21.76,34.27 21.65,34.05 21.52,33.84 21.36,33.64 21.17,33.47 20.96,33.33 20.74,33.21 20.5,33.13 20.25,33.07 20,33.05 19.76,33.06 19.53,33.1 19.3,33.16 19.08,33.26 18.88,33.38 18.69,33.52 18.52,33.68 18.36,33.87 18.24,34.07 18.13,34.29 18.06,34.52 18.01,34.76 17.99,35 18,35.24 18.04,35.48 18.1,35.72 18.2,35.94 18.32,36.16 18.47,36.35 18.64,36.53 18.83,36.69 19.04,36.82 19.27,36.93 19.51,37.01 19.75,37.06 20,37.07 20.25,37.06 20.5,37.02 20.74,36.95 20.97,36.85 21.19,36.73 21.4,36.57 21.58,36.4 21.74,36.2 21.88,35.98 21.99,35.75 22.07,35.51 22.12,35.26 22.14,35 22.13,34.74 22.08,34.49 22.01,34.24 21.91,34 21.78,33.77 21.62,33.56 21.44,33.37 21.24,33.21 21.01,33.07 20.78,32.96 20.52,32.87 20.26,32.82 20,32.8 19.75,32.81 19.51,32.85 19.27,32.91 19.04,33 18.82,33.12 18.61,33.26 18.42,33.42 18.25,33.61 18.1,33.81 17.98,34.03 17.88,34.26 17.8,34.5 17.76,34.75 17.74,35 17.75,35.25 17.79,35.51 17.85,35.75 17.95,35.99 18.07,36.22 18.21,36.43 18.38,36.62 18.57,36.8 18.77,36.95 19,37.08 19.24,37.18 19.48,37.26 19.74,37.31 20,37.32 20.26,37.31 20.52,37.28 20.77,37.21 21.02,37.11 21.25,36.99 21.47,36.84 21.67,36.67 21.85,36.47 22,36.26 22.13,36.03 22.24,35.78 22.32,35.53 22.37,35.27 22.39,35 22.38,34.73 22.34,34.47 22.27,34.21 22.17,33.96 22.04,33.72 21.89,33.49 21.71,33.29 21.51,33.11 21.29,32.94 21.06,32.81 20.8,32.7 20.54,32.62 20.27,32.57 20,32.55 19.74,32.56 19.49,32.6 19.24,32.66 19,32.75 18.76,32.86 18.55,33 18.34,33.16 18.15,33.34 17.99,33.54 17.84,33.75 17.72,33.98 17.62,34.23 17.55,34.48 17.51,34.74 17.49,35 17.5,35.26 17.53,35.52 17.6,35.78 17.69,36.03 17.81,36.27 17.95,36.49 18.11,36.7 18.3,36.89 18.5,37.06 18.72,37.21 18.96,37.34 19.21,37.44 19.47,37.51 19.73,37.56 20,37.57 20.27,37.57 20.54,37.53 20.8,37.46 21.05,37.37 21.3,37.25 21.53,37.1 21.74,36.94 21.94,36.75 22.11,36.54 22.27,36.31 22.39,36.07 22.5,35.81 22.57,35.55 22.62,35.28 22.64,35 22.63,34.72 22.59,34.45 22.52,34.18 22.42,33.92 22.3,33.67 22.15,33.44 21.98,33.22 21.79,33.02 21.57,32.84 21.34,32.68 21.09,32.55 20.83,32.44 20.56,32.37 20.28,32.32 20,32.3 19.73,32.31 19.47,32.34 19.21,32.41 18.96,32.49 18.72,32.6 18.49,32.74 18.27,32.89 18.07,33.07 17.89,33.26 17.72,33.48 17.58,33.71 17.46,33.95 17.37,34.2 17.3,34.46 17.25,34.73 17.24,35 17.25,35.27 17.28,35.54 17.35,35.81 17.43,36.06 17.55,36.31 17.68,36.55 17.84,36.77 18.02,36.98 18.23,37.16 18.44,37.33 18.68,37.47 18.92,37.6 19.18,37.69 19.45,37.76 19.72,37.81 20,37.82 20.28,37.82 20.55,37.78 20.82,37.71 21.09,37.62 21.34,37.51 21.58,37.37 21.81,37.2 22.02,37.02 22.21,36.81 22.38,36.59 22.53,36.35 22.65,36.1 22.75,35.83 22.82,35.56 22.87,35.28 22.89,35 22.88,34.72 22.84,34.44 22.77,34.16 22.68,33.89 22.56,33.63 22.42,33.38 22.25,33.15 22.06,32.94 21.85,32.74 21.63,32.57 21.38,32.42 21.12,32.29 20.85,32.19 20.57,32.11 20.29,32.07 20,32.05 19.73,32.06 19.46,32.09 19.19,32.15 18.93,32.24 18.68,32.34 18.44,32.47 18.21,32.63 17.99,32.8 17.8,32.99 17.62,33.2 17.46,33.43 17.32,33.67 17.2,33.92 17.11,34.18 17.05,34.45 17,34.72 16.99,35 17,35.28 17.03,35.55 17.09,35.83 17.18,36.09 17.29,36.35 17.42,36.6 17.58,36.83 17.75,37.05 17.95,37.25 18.16,37.43 18.39,37.6 18.64,37.74 18.89,37.85 19.16,37.95 19.44,38.02 19.72,38.06 20,38.07 20.28,38.07 20.57,38.03 20.84,37.97 21.12,37.88 21.38,37.77 21.63,37.63 21.87,37.47 22.09,37.29 22.3,37.09 22.48,36.88 22.65,36.64 22.79,36.39 22.91,36.13 23.01,35.86 23.08,35.58 23.12,35.29 23.14,35 23.13,34.71 23.09,34.42 23.03,34.14 22.94,33.86 22.83,33.59 22.69,33.34 22.52,33.09 22.34,32.87 22.14,32.66 21.91,32.47 21.67,32.3 21.42,32.15 21.15,32.03 20.87,31.93 20.59,31.86 20.29,31.82 20,31.8 19.72,31.81 19.44,31.84 19.17,31.9 18.9,31.98 18.64,32.08 18.39,32.21 18.15,32.36 17.93,32.53 17.72,32.72 17.52,32.92 17.35,33.14 17.19,33.38 17.06,33.63 16.95,33.89 16.86,34.16 16.79,34.43 16.75,34.72 16.74,35 16.75,35.28 16.78,35.57 16.84,35.85 16.92,36.12 17.03,36.39 17.16,36.64 17.31,36.89 17.48,37.11 17.67,37.33 17.88,37.53 18.11,37.7 18.35,37.86 18.6,38 18.87,38.11 19.14,38.2 19.42,38.27 19.71,38.31 20,38.32 20.29,38.32 20.58,38.28 20.86,38.22 21.14,38.14 21.41,38.03 21.67,37.9 21.92,37.74 22.16,37.57 22.37,37.37 22.57,37.16 22.75,36.93 22.92,36.68 23.05,36.42 23.17,36.15 23.26,35.87 23.33,35.59 23.37,35.29 23.39,35 23.38,34.7 23.34,34.41 23.28,34.12 23.2,33.84 23.09,33.56 22.95,33.3 22.79,33.04 22.62,32.8 22.42,32.58 22.2,32.38 21.96,32.19 21.71,32.03 21.45,31.89 21.18,31.77 20.89,31.68 20.6,31.61 20.3,31.57 20,31.55 19.71,31.56 19.43,31.59 19.15,31.65 18.88,31.72 18.61,31.83 18.35,31.95 18.1,32.09 17.86,32.26 17.64,32.44 17.44,32.64 17.25,32.86 17.08,33.09 16.93,33.34 16.8,33.6 16.69,33.86 16.6,34.14 16.54,34.42 16.5,34.71 16.49,35 16.5,35.29 16.53,35.58 16.59,35.86 16.67,36.14 16.77,36.42 16.89,36.68 17.04,36.93 17.21,37.17 17.39,37.4 17.6,37.61 17.82,37.8 18.06,37.97 18.31,38.13 18.57,38.26 18.84,38.37 19.12,38.46 19.41,38.52 19.71,38.56 20,38.57 20.3,38.57 20.59,38.53 20.88,38.48 21.17,38.39 21.44,38.29 21.71,38.16 21.97,38.01 22.21,37.84 22.44,37.65 22.65,37.44 22.85,37.22 23.03,36.98 23.18,36.72 23.32,36.45 23.43,36.18 23.52,35.89 23.58,35.6 23.62,35.3 23.64,35 23.63,34.7 23.59,34.4 23.54,34.1 23.45,33.81 23.35,33.53 23.22,33.26 23.06,33 22.89,32.75 22.7,32.52 22.49,32.3 22.26,32.1 22.01,31.92 21.75,31.76 21.48,31.63 21.2,31.51 20.91,31.42 20.61,31.36 20.31,31.32 20,31.3 19.71,31.31 19.42,31.34 19.13,31.39 18.85,31.47 18.58,31.57 18.31,31.69 18.06,31.83 17.81,31.99 17.58,32.17 17.36,32.36 17.16,32.57 16.98,32.8 16.81,33.05 16.66,33.3 16.54,33.57 16.43,33.84 16.35,34.12 16.29,34.41 16.25,34.71 16.24,35 16.25,35.3 16.28,35.59 16.33,35.88 16.41,36.17 16.51,36.45 16.63,36.72 16.77,36.98 16.94,37.23 17.12,37.46 17.32,37.68 17.53,37.89 17.77,38.07 18.01,38.24 18.27,38.39 18.54,38.52 18.82,38.63 19.11,38.71 19.4,38.77 19.7,38.81 20,38.82 20.3,38.82 20.6,38.78 20.9,38.73 21.19,38.65 21.47,38.55 21.75,38.42 22.01,38.28 22.26,38.11 22.5,37.93 22.73,37.73 22.93,37.51 23.12,37.27 23.3,37.02 23.45,36.76 23.58,36.48 23.69,36.2 23.77,35.91 23.83,35.61 23.87,35.3 23.89,35 23.88,34.69 23.85,34.39 23.79,34.09 23.71,33.79 23.61,33.51 23.48,33.23 23.33,32.96 23.17,32.7 22.98,32.46 22.77,32.23 22.55,32.02 22.31,31.82 22.05,31.65 21.78,31.5 21.51,31.37 21.22,31.26 20.92,31.17 20.62,31.1 20.31,31.07 20,31.05 19.7,31.06 19.41,31.09 19.12,31.14 18.83,31.21 18.55,31.31 18.28,31.43 18.01,31.56 17.76,31.72 17.52,31.89 17.29,32.08 17.08,32.29 16.88,32.51 16.7,32.75 16.54,33 16.4,33.27 16.28,33.54 16.18,33.82 16.1,34.11 16.04,34.4 16,34.7 15.99,35 16,35.3 16.03,35.6 16.08,35.89 16.15,36.19 16.25,36.47 16.37,36.75 16.51,37.02 16.67,37.27 16.84,37.52 17.04,37.75 17.25,37.97 17.48,38.17 17.72,38.35 17.97,38.51 18.24,38.66 18.52,38.78 18.8,38.88 19.1,38.96 19.39,39.02 19.7,39.06 20,39.07 20.3,39.07 20.61,39.04 20.91,38.98 21.2,38.91 21.49,38.81 21.78,38.69 22.05,38.55 22.31,38.39 22.56,38.21 22.79,38.01 23.01,37.79 23.21,37.56 23.4,37.32 23.57,37.06 23.71,36.79 23.84,36.51 23.94,36.22 24.03,35.92 24.09,35.62 24.12,35.31 24.14,35 24.13,34.69 24.1,34.38 24.04,34.08 23.97,33.78 23.87,33.48 23.74,33.2 23.6,32.92 23.44,32.66 23.26,32.4 23.05,32.17 22.84,31.94 22.6,31.74 22.35,31.55 22.09,31.38 21.81,31.23 21.53,31.1 21.23,31 20.93,30.91 20.63,30.85 20.31,30.81 20,30.8 19.7,30.81 19.4,30.84 19.11,30.89 18.81,30.96 18.53,31.05 18.25,31.16 17.98,31.3 17.72,31.45 17.47,31.62 17.23,31.8 17.01,32.01 16.8,32.23 16.61,32.46 16.43,32.71 16.28,32.97 16.14,33.24 16.02,33.52 15.92,33.8 15.84,34.1 15.79,34.39 15.75,34.7 15.74,35 15.75,35.3 15.78,35.61 15.83,35.91 15.9,36.2 15.99,36.49 16.11,36.78 16.24,37.05 16.4,37.32 16.57,37.57 16.76,37.81 16.96,38.04 17.19,38.25 17.42,38.44 17.67,38.62 17.94,38.78 18.21,38.92 18.49,39.04 18.78,39.14 19.08,39.22 19.39,39.28 19.69,39.31 20,39.32 20.31,39.32 20.62,39.29 20.92,39.23 21.22,39.16 21.52,39.07 21.8,38.95 22.08,38.81 22.35,38.66 22.61,38.48 22.85,38.29 23.08,38.08 23.29,37.85 23.49,37.61 23.67,37.36 23.83,37.09 23.98,36.82 24.1,36.53 24.2,36.23 24.28,35.93 24.34,35.62 24.37,35.31 24.39,35 24.38,34.69 24.35,34.37 24.3,34.07 24.22,33.76 24.12,33.46 24.01,33.17 23.87,32.89 23.71,32.62 23.53,32.36 23.34,32.11 23.12,31.88 22.9,31.66 22.65,31.46 22.39,31.28 22.12,31.11 21.84,30.97 21.55,30.84 21.25,30.74 20.94,30.66 20.63,30.6 20.32,30.56 20,30.55 19.05,30.55 ; 19.59,18.98 19.63,18.97 20,18.6 20,18.55 19.79,18.56 19.59,18.6 19.39,18.67 19.2,18.76 19.03,18.88 18.88,19.03 18.75,19.19 18.64,19.38 18.56,19.58 18.51,19.79 18.49,20 18.5,20.22 18.54,20.43 18.61,20.64 18.71,20.83 18.84,21.01 18.99,21.17 19.16,21.31 19.35,21.42 19.56,21.5 19.78,21.55 20,21.57 20.22,21.56 20.45,21.52 20.66,21.45 20.86,21.34 21.05,21.21 21.22,21.05 21.36,20.87 21.47,20.67 21.56,20.46 21.62,20.23 21.64,20 21.63,19.77 21.58,19.54 21.51,19.31 21.4,19.1 21.26,18.91 21.09,18.74 20.91,18.59 20.7,18.47 20.48,18.38 20.24,18.32 20,18.3 19.78,18.31 19.56,18.35 19.34,18.41 19.14,18.51 18.95,18.63 18.78,18.78 18.62,18.94 18.49,19.13 18.39,19.33 18.31,19.55 18.26,19.77 18.24,20 18.25,20.23 18.29,20.46 18.36,20.68 18.46,20.89 18.58,21.09 18.73,21.27 18.9,21.43 19.1,21.56 19.31,21.67 19.53,21.75 19.76,21.8 20,21.82 20.24,21.81 20.48,21.77 20.7,21.7 20.92,21.6 21.13,21.47 21.31,21.31 21.48,21.13 21.62,20.93 21.73,20.72 21.81,20.49 21.87,20.25 21.89,20 21.88,19.75 21.83,19.51 21.76,19.27 21.65,19.05 21.52,18.84 21.36,18.64 21.17,18.47 20.96,18.33 20.74,18.21 20.5,18.13 20.25,18.07 20,18.05 19.76,18.06 19.53,18.1 19.3,18.16 19.08,18.26 18.88,18.38 18.69,18.52 18.52,18.68 18.36,18.87 18.24,19.07 18.13,19.29 18.06,19.52 18.01,19.76 17.99,20 18,20.24 18.04,20.48 18.1,20.72 18.2,20.94 18.32,21.16 18.47,21.35 18.64,21.53 18.83,21.69 19.04,21.82 19.27,21.93 19.51,22.01 19.75,22.06 20,22.07 20.25,22.06 20.5,22.02 20.74,21.95 20.97,21.85 21.19,21.73 21.4,21.57 21.58,21.4 21.74,21.2 21.88,20.98 21.99,20.75 22.07,20.51 22.12,20.26 22.14,20 22.13,19.74 22.08,19.49 22.01,19.24 21.91,19 21.78,18.77 21.62,18.56 21.44,18.37 21.24,18.21 21.01,18.07 20.78,17.96 20.52,17.87 20.26,17.82 20,17.8 19.75,17.81 19.51,17.85 19.27,17.91 19.04,18 18.82,18.12 18.61,18.26 18.42,18.42 18.25,18.61 18.1,18.81 17.98,19.03 17.88,19.26 17.8,19.5 17.76,19.75 17.74,20 17.75,20.25 17.79,20.51 17.85,20.75 17.95,20.99 18.07,21.22 18.21,21.43 18.38,21.62 18.57,21.8 18.77,21.95 19,22.08 19.24,22.18 19.48,22.26 19.74,22.31 20,22.32 20.26,22.31 20.52,22.28 20.77,22.21 21.02,22.11 21.25,21.99 21.47,21.84 21.67,21.67 21.85,21.47 22,21.26 22.13,21.03 22.24,20.78 22.32,20.53 22.37,20.27 22.39,20 22.38,19.73 22.34,19.47 22.27,19.21 22.17,18.96 22.04,18.72 21.89,18.49 21.71,18.29 21.51,18.11 21.29,17.94 21.06,17.81 20.8,17.7 20.54,17.62 20.27,17.57 20,17.55 19.74,17.56 19.49,17.6 19.24,17.66 19,17.75 18.76,17.86 18.55,18 18.34,18.16 18.15,18.34 17.99,18.54 17.84,18.75 17.72,18.98 17.62,19.23 17.55,19.48 17.51,19.74 17.49,20 17.5,20.26 17.53,20.52 17.6,20.78 17.69,21.03 17.81,21.27 17.95,21.49 18.11,21.7 18.3,21.89 18.5,22.06 18.72,22.21 18.96,22.34 19.21,22.44 19.47,22.51 19.73,22.56 20,22.57 20.27,22.57 20.54,22.53 20.8,22.46 21.05,22.37 21.3,22.25 21.53,22.1 21.74,21.94 21.94,21.75 22.11,21.54 22.27,21.31 22.39,21.07 22.5,20.81 22.57,20.55 22.62,20.28 22.64,20 22.63,19.72 22.59,19.45 22.52,19.18 22.42,18.92 22.3,18.67 22.15,18.44 21.98,18.22 21.79,18.02 21.57,17.84 21.34,17.68 21.09,17.55 20.83,17.44 20.56,17.37 20.28,17.32 20,17.3 19.73,17.31 19.47,17.34 19.21,17.41 18.96,17.49 18.72,17.6 18.49,17.74 18.27,17.89 18.07,18.07 17.89,18.26 17.72,18.48 17.58,18.71 17.46,18.95 17.37,19.2 17.3,19.46 17.25,19.73 17.24,20 17.25,20.27 17.28,20.54 17.35,20.81 17.43,21.06 17.55,21.31 17.68,21.55 17.84,21.77 18.02,21.98 18.23,22.16 18.44,22.33 18.68,22.47 18.92,22.6 19.18,22.69 19.45,22.76 19.72,22.81 20,22.82 20.28,22.82 20.55,22.78 20.82,22.71 21.09,22.62 21.34,22.51 21.58,22.37 21.81,22.2 22.02,22.02 22.21,21.81 22.38,21.59 22.53,21.35 22.65,21.1 22.75,20.83 22.82,20.56 22.87,20.28 22.89,20 22.88,19.72 22.84,19.44 22.77,19.16 22.68,18.89 22.56,18.63 22.42,18.38 22.25,18.15 22.06,17.94 21.85,17.74 21.63,17.57 21.38,17.42 21.12,17.29 20.85,17.19 20.57,17.11 20.29,17.07 20,17.05 19.73,17.06 19.46,17.09 19.19,17.15 18.93,17.24 